# KiCad board mainPCB.kicad_pcb (continued)
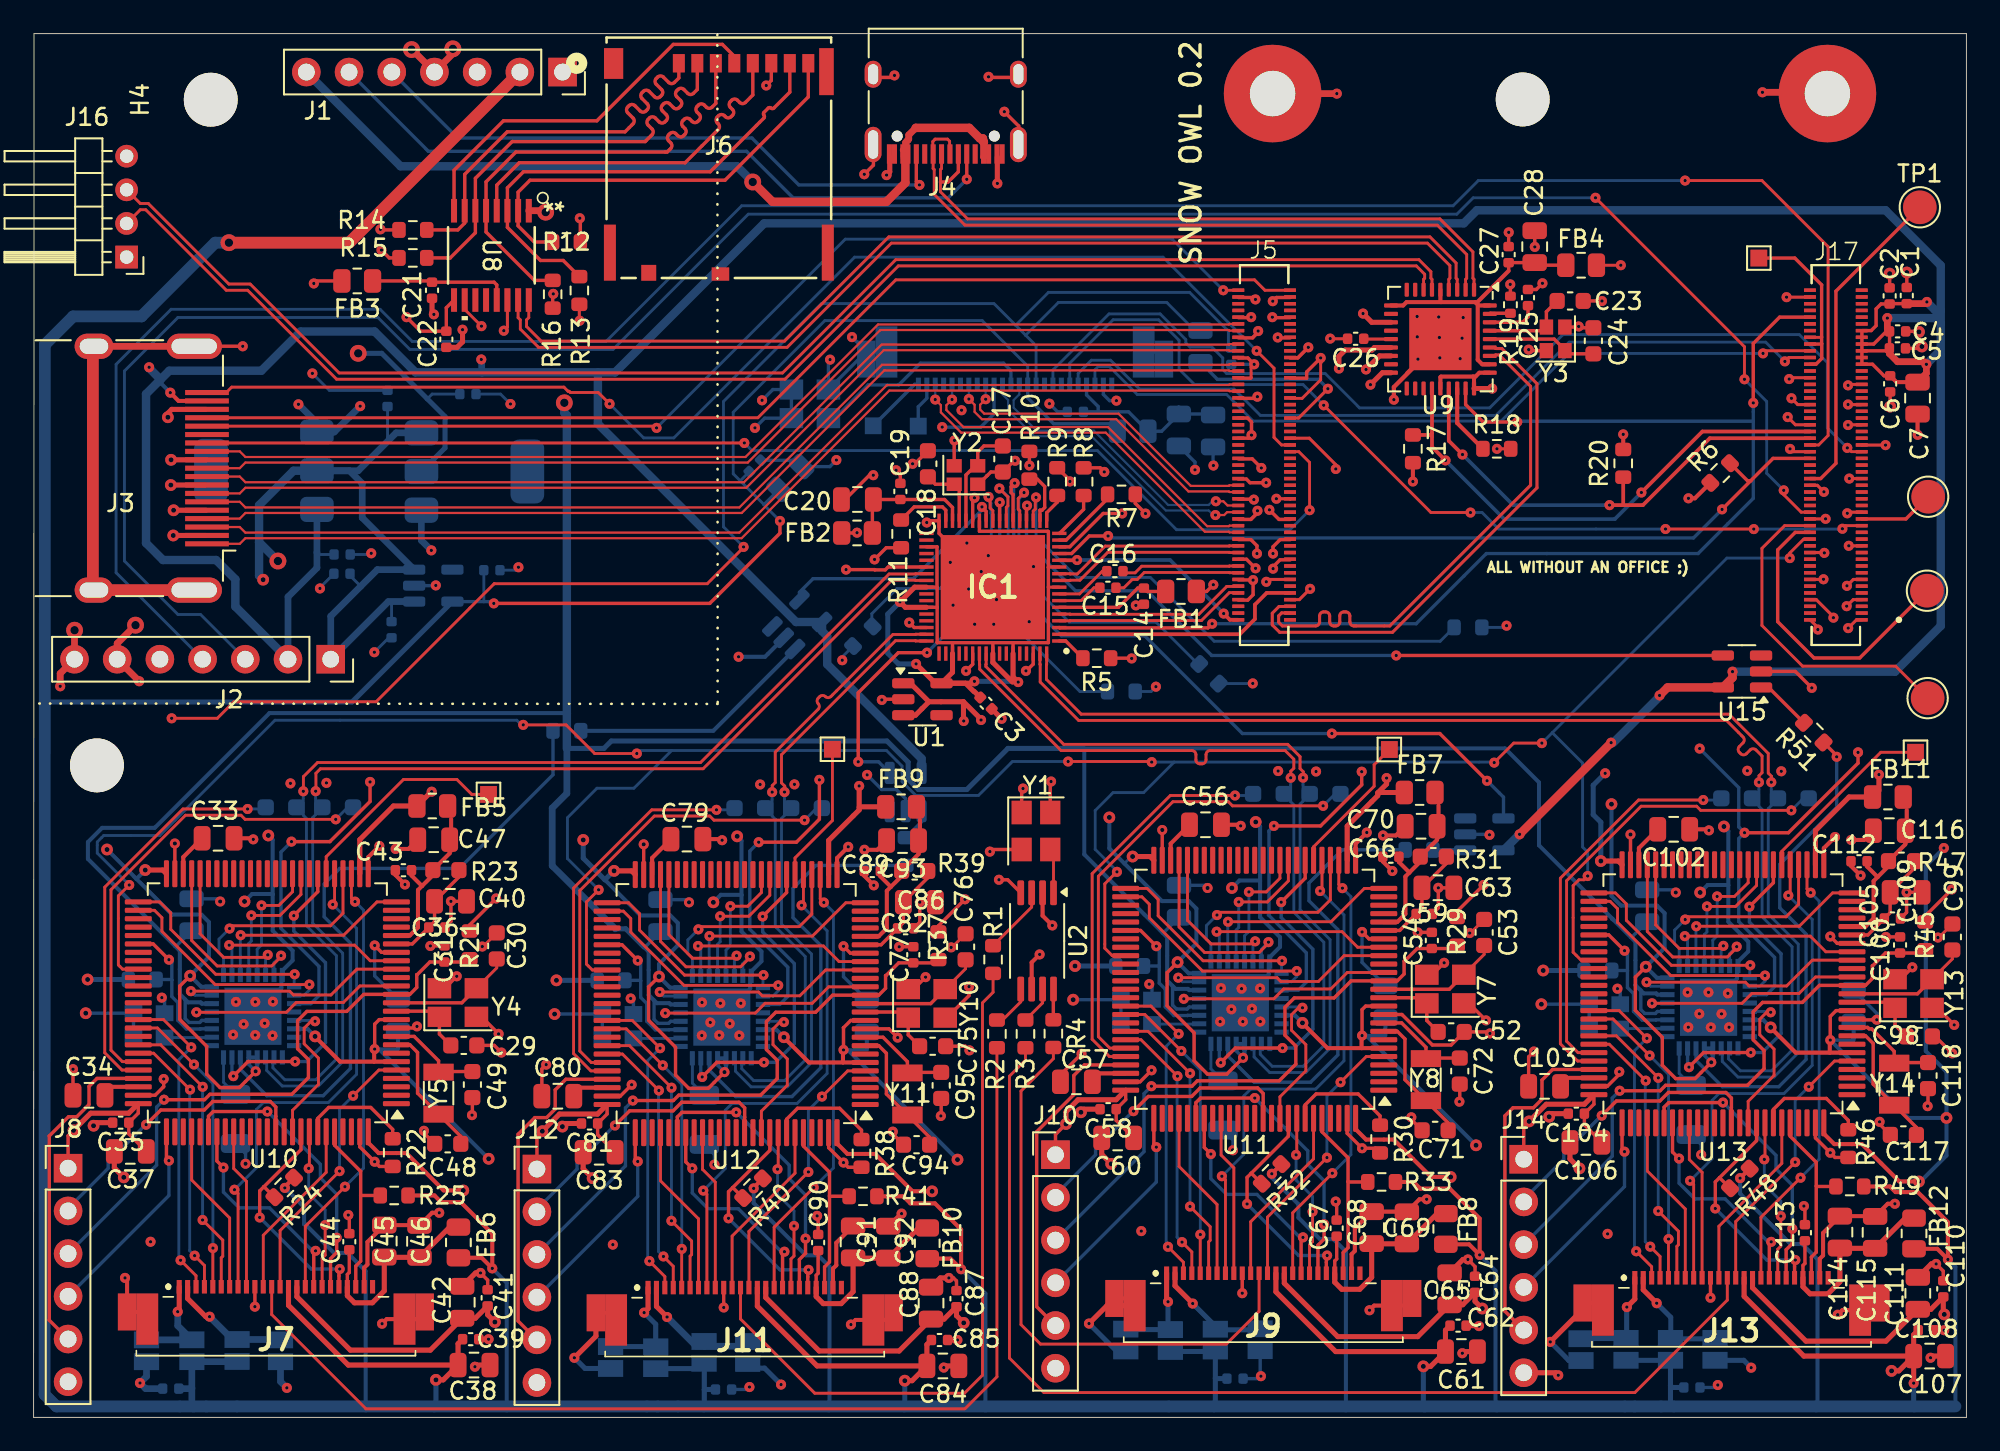
[diagram p0: board, top side]
## Routing (per net, layer and track width the routed paths; a pad name or vN(x,y) marks a point on that pad's centre or on a via; arc(x,y) is an arc through that point) (continued)
/1.05V out: length 53.4
  F.Cu Signal w0.18: IC1.9 60.36,49.38
  F.Cu Signal w0.2: IC1.43 53.73,49.38 ; 53.73,49.38 53.74,49.37 53.74,48.17 ; 53.73,49.38 53.73,51.78 53.73,51.78 IC1.37 ; IC1.60 57.05,46.07 57.05,46.08 ; IC1.54 54.65,46.05 ; U1.5 53.64,43.66 ; 60.36,50.56 60.36,46.08 53.75,46.08 53.74,46.09 53.74,48.17 ; 60.36,50.56 60.38,50.58 IC1.12 ; 60.36,50.56 60.36,52.68 60.33,52.7 56.25,52.7 IC1.28 ; 53.74,48.17 53.73,48.18 IC1.46 ; 55.92,43.18 55.95,43.18 ; IC1.63 58.25,46.08 ; 58.22,43.73 v1(58.56,43.73) ; 55.84,43.66 v1(55.95,43.78)
  F.Cu Signal w0.3: 55.92,43.18 55.43,43.66 U1.5 ; IC1.63 58.25,44.04 v1(58.56,43.73) ; IC1.46 51.85,48.18 v1(51.53,48.5) 52.4,49.38 IC1.43 ; U1.5 55.84,43.66 ; U1.5 54.65,44.32 IC1.54 ; IC1.60 57.05,44.9 58.22,43.73 ; 53.64,43.66 v1(52.48,44.81) ; 55.95,43.18 C3.1
  B.Cu Signal w0.2: 58.52,43.78 v1(58.56,43.73)
  B.Cu Signal w0.3: v1(52.48,44.81) 51.44,44.81 50.8,45.45 50.8,47.78 v1(51.53,48.5) ; v1(55.95,43.78) 58.52,43.78
GND: length 600.5
  F.Cu Signal w0.17: v1(76.55,63.02) 76.55,61.71 75.45,60.61 74.74,60.61 ; 72.41,61.84 72.41,62.45 v1(72.59,62.63) ; v1(113.26,28.54) 113.31,28.54 C99.1 ; v1(26.69,28) 26.73,28 C30.1 ; C53.1 85.46,28.81 v1(85.41,28.81) ; C76.1 54.62,27.95 v1(54.57,27.95) ; 81.67,62.13 U9.37 83.67,64.05
  F.Cu Signal w0.18: v1(107.92,60.24) 107.92,60.24 108.74,60.24 ; 76.55,62.71 v1(76.55,63.02) ; v1(73.31,49.7) 73.45,49.84 74.74,49.84 ; v1(106.5,51.42) 106.49,51.44 105.66,51.44 ; 105.66,61.84 104.5,61.84 v1(104.41,61.76) ; 72.49,49.84 v1(72.53,49.8) ; v1(77.11,64.16) 77.12,64.16 C26.2 ; v1(75.92,49.28) 75.28,48.64 74.74,48.64 ; 72.72,60.64 v1(72.78,60.71) ; v1(104.55,60.62) 104.93,60.24 105.66,60.24 ; 75.11,63.04 75.21,63.04 v1(75.81,63.64) ; v1(27.97,64.64) 28.18,64.85 U8.14 ; 108.74,57.84 108.75,57.83 v1(110.15,57.83) ; v1(72.79,53.92) 72.79,53.8 72.43,53.44 ; 105.66,53.44 106.57,53.44 v1(106.58,53.45) ; v1(72.42,65.44) 72.45,65.44 72.47,65.43 ; 72.52,54.64 72.56,54.6 ; 74,64.24 v1(74,64.23) 73.95,64.19 ; 72.53,66.64 v1(72.67,66.5) ; v1(104.26,66.63) 105.65,66.63 105.66,66.64 ; 104.29,59.53 v1(104.33,59.5) 104.78,59.04 105.66,59.04 ; 105.66,47.44 106.12,46.98 v1(106.12,46.86) ; 108.74,55.84 v1(107.99,55.84) 107.97,55.82 ; 105.66,55.44 106.09,55.44 v1(106.48,55.05) 106.53,55 ; v1(73.67,65.44) 73.65,65.41 ; 105.66,57.44 104.63,57.44 v1(104.47,57.6) ; 72.41,61.84 72.41,61.84 ; 72.51,64.24 72.83,64.56 v1(72.83,64.62) ; v1(107.92,61.38) 107.92,61.41 107.94,61.44 108.74,61.44 ; 108.74,48.64 108.22,48.64 v1(107.84,48.25) ; 108.74,49.84 108.23,49.84 v1(107.85,49.46) ; 108.74,59.04 107.91,59.04 107.91,59.04 107.91,59.03 v1(107.92,59.02) ; 105.66,49.84 106.44,49.84 v1(106.46,49.85) ; 74.74,54.61 74.71,54.64 v1(73.92,54.64) 73.86,54.64 73.86,54.65 ; 105.66,48.64 106.03,48.64 107.04,47.62 v1(107.04,47.56) ; v1(76.98,61.18) 75.24,59.44 74.74,59.44 ; 74.74,58.24 75.88,58.24 77.45,56.66 v1(77.45,56.41) ; 108.74,51.84 v1(107.96,51.84) 107.95,51.85 ; 108.74,47.44 108.42,47.44 v1(107.93,46.95) ; 108.74,53.84 107.94,53.84 v1(107.87,53.77) 108,53.77 108.06,53.83
  F.Cu Signal w0.2: J13.10 v1(99.74,7.12) ; v1(56.8,79.73) 56.83,79.7 58.59,79.7 ; 71.66,57.01 72.48,57.01 v1(73.02,56.47) ; v1(50.45,42.67) 50.49,42.72 U1.2 ; v1(72.78,60.71) 72.69,60.61 71.66,60.61 ; v1(54.44,8.29) 54.71,8.29 54.89,8.12 C87.2 ; v1(72.79,53.92) 72.79,53.8 72.4,53.41 71.66,53.41 ; U11.49 v3(67.13,34.94) ; U15.2 104.78,44.37 v1(105.76,43.39) ; Y2.4 54.75,58.09 v1(54.77,58.11) ; v1(20.28,28.07) 20.69,27.66 21.58,27.66 ; U11.74 65.81,19.96 v1(66.49,20.64) ; C72.2 84.82,18.8 v1(84.8,18.78) 84.8,18.78 ; v1(73.72,50.48) 73.72,50.59 74.14,51.01 74.74,51.01 ; v1(89.74,67.45) 89.37,67.09 C25.2 ; v1(51.39,22.59) 50.87,23.11 49.46,23.11 ; v1(113.16,9.13) 113.58,8.7 C110.2 ; v1(27.66,22.81) 26.64,23.82 Y4.2 ; v1(35.57,19.78) 34.89,19.11 U12.74 ; R19.1 87.84,67.38 v1(87.83,67.39) ; C117.2 109.79,17.44 v1(109.79,17.58) ; C94.2 51.1,16.86 v1(51.1,16.99) ; C48.2 23.22,16.91 v1(23.22,17.04) ; R38.2 48.45,14.87 v1(48.17,15.15) 47.28,16.04 U12.99 ; U11.19 79.42,28.46 v1(79.01,28.87) ; C98.1 113.1,22.66 v1(114.11,21.65) ; U13.19 107.27,28.19 v1(106.86,28.6) ; 71.66,52.21 72.39,52.21 72.76,51.84 v1(72.76,51.38) ; U13.10 108.73,23.69 108.78,23.64 109.34,23.64 109.39,23.69 109.58,23.69 v1(109.62,23.65) ; U11.99 78.13,16.89 v1(79.01,16.01) 79.8,16.01 R30.2 ; v1(72.83,64.62) 72.83,64.54 72.5,64.21 71.66,64.21 ; v1(25.16,26.23) 24.45,25.52 Y4.4 ; 89.97,63.4 Y3.4 88.98,63.45 v1(88.92,63.51) ; v1(7.73,20.12) 7.73,19.67 7.23,19.16 6.23,19.16 ; C27.1 87.73,70.48 v1(87.73,70.48) ; C77.2 51.49,28 v1(51.48,27.99) ; 74.74,64.21 74.02,64.21 v1(74,64.23) ; 9.5,63.74 9.47,63.71 v1(12.44,63.71) ; v1(85.31,9.39) 85.73,8.97 C64.2 ; C95.2 53.98,17.95 v1(53.96,17.93) 53.96,17.92 ; U2.4 57.94,31.98 v1(57.42,31.98) ; C19.1 51.55,56.08 v1(51.3,56.34) ; C31.2 23.6,28.05 v1(23.59,28.04) ; 71.66,66.61 72.56,66.61 v1(72.67,66.5) ; v1(81.94,17.85) 81.94,17.71 C71.2 ; 71.66,65.41 72.39,65.41 v1(72.42,65.44) ; 71.66,48.61 72.21,48.61 72.53,48.93 v1(72.53,49.8) 72.52,49.81 71.66,49.81 ; U13.74 93.6,19.69 94.31,20.4 v1(94.31,20.56) ; v1(18.72,12.03) 18.77,11.97 C44.2 ; J6.6 43.88,79.52 v1(43.58,79.22) ; Y3.2 91.86,64.85 v1(91.89,64.89) 91.89,64.82 91.91,64.81 91.91,64.81 C24.1 ; Y13.2 113.22,24.36 v1(114.23,23.34) ; v1(73.31,55.59) 72.35,55.59 72.13,55.81 71.66,55.81 ; v1(73.67,65.44) 73.7,65.41 74.74,65.41 ; C90.2 46.66,11.92 v1(46.6,11.98) ; 71.65,59.44 72.2,59.44 72.44,59.2 v1(72.44,58.42) 72.25,58.24 U3.156 ; v1(65.56,48.3) 65.63,48.36 C14.1 ; v1(89.28,69.62) 89.28,69.62 C28.1 ; v1(62.33,21.62) 61.07,20.37 C57.1 ; 58.59,75.52 58.59,76.81 v1(57.73,77.66) ; C36.1 24.82,29.5 v1(24.82,30.7) C40.1 ; C118.2 112.67,18.53 v1(112.65,18.51) 112.65,18.51 ; v1(48.17,28.02) 48.58,27.61 49.46,27.61 ; v1(73.5,53.98) 74.07,53.41 74.74,53.41 ; C63.1 v1(83.55,31.5) 83.55,30.3 C59.1 ; C41.2 27,8.17 v1(26.58,8.59) ; v1(73.72,51.38) 73.72,51.78 74.14,52.21 74.74,52.21 ; v1(72.58,54.59) 72.56,54.61 71.66,54.61 ; v1(72.68,50.5) 72.14,51.04 71.65,51.04 ; C67.2 77.5,12.78 v1(77.44,12.84) ; 49.95,79.7 51.08,79.7 v1(51.2,79.82) ; v1(73.7,66.39) 73.92,66.61 74.74,66.61 ; C1.2 v4(111.41,68.09) ; v1(22.8,23.26) 22.71,23.16 21.58,23.16 ; 62.45,56.48 63.44,56.48 v1(63.68,56.23) ; v1(110.17,28.57) 110.18,28.58 C100.2 ; v4(112.13,64.56) 112.1,64.59 C4.2 ; 72.41,61.84 72.38,61.81 71.66,61.81 ; v1(50.02,51.03) 50.71,51.72 R11.2 ; 56.2,55.5 Y2.2 56.2,55.5 56.71,56.02 56.72,56.02 56.93,56.23 C17.1 58.37,56.96 ; C2.2 v4(110.39,68.03) ; 76.55,62.71 v1(76.55,63.02) 75.72,62.18 75.72,61.81 74.74,61.81 ; C113.2 105.35,12.51 v1(105.29,12.57) ; Y7.4 83.18,26.33 v1(83.89,27.04) ; R10.1 v1(59.22,56.62) 59.22,56.59 59.23,56.57 ; C80.1 30.23,20.72 v1(30.48,20.98) ; R46.2 107.14,15.46 v1(106.86,15.74) 105.98,16.62 U13.99 ; Y10.2 54.32,23.77 55.64,25.09 v1(55.64,25.62) ; 49.95,75.52 49.95,74.48 v1(49.41,73.94) ; v1(53.05,26.18) 52.34,25.47 Y10.4 ; 48.27,54.59 49.71,56.04 v1(49.94,56.04) ; C6.2 v4(110.42,60.12) ; C75.1 55.41,22.08 v1(55.66,21.83) ; C18.1 52.41,56.72 v1(52.28,56.72) ; Y7.2 85.37,24.63 v1(86.38,23.61) ; C49.2 26.09,18 v1(26.07,17.98) 26.07,17.97 ; Y13.4 111.03,26.06 v1(111.74,26.77) ; U10.49 v3(8.4,34.13) ; C103.1 88.92,21.44 v1(89.23,21.76) ; R22.2 20.56,14.92 v1(20.28,15.2) 19.4,16.09 U10.99 ; C54.2 82.33,28.85 v1(82.32,28.84) ; C29.1 27.39,22.13 v1(27.82,21.7) ; v1(53.12,53.22) 53.22,53.33 IC1.34 53.85,52.58 IC1.69 ; J9.10 v1(71.89,7.39) ; v1(93.28,66.4) 93.28,66.41 C23.1 ; Y1.2 57,33.78 v1(56.88,33.65) ; U13.49 v3(94.98,34.67) ; v4(112.31,63.7) 112.2,63.59 111.34,63.59 ; v1(61.64,55.67) 61.64,55.73 R9.1 ; v1(2.34,20.71) C34.1 ; C82.1 52.7,29.45 v1(52.7,30.64) C86.1 ; U12.49 v3(36.28,34.09) ; U3.180 71.68,63.01 72.22,63.01 v1(72.59,62.63) ; v1(75.81,63.64) 75.18,63.01 74.74,63.01 ; U11.10 81.38,23.96 83.2,22.15 84.31,22.15 C52.1 86.53,22.93 v1(86.62,22.84) ; J7.10 v1(13.16,6.58) ; J11.10 v1(41.04,6.53) ; C105.1 111.4,30.03 v1(111.4,31.23) C109.1
  F.Cu Signal w0.24: J13.23 106.24,9.43 106.43,9.63 106.43,10.97 C114.2 109.51,11.97 C115.2 110.28,12.7 v1(110.7,12.7) ; J9.MP1 65.06,7.07 J9.AMP1 ; J13.AMP1 92.91,6.8 J13.MP1 ; U11.26 78.63,34.12 v1(79.29,34.79) ; C7.2 112.05,58.45 v1(112.06,58.44) ; v1(20.56,33.98) 19.9,33.32 U10.26 ; J11.23 47.54,8.85 47.74,9.04 47.74,10.38 C91.2 50.82,11.38 50.84,11.37 51.59,12.12 v1(51.62,12.12) ; C56.1 71.73,35.25 v1(71.79,35.18) ; v1(80.26,34.61) 81.02,34.61 C70.2 ; v1(22.09,31.7) 21.52,32.27 C43.2 ; v1(20.73,5.57) 21,5.85 J7.MP2 22.83,5.85 J7.AMP2 ; C89.2 49.4,32.21 v1(49.97,31.64) ; v1(108.11,34.34) 108.87,34.34 C116.2 ; J7.23 19.66,8.9 19.86,9.09 19.86,10.43 C45.2 22.94,11.43 C46.2 23.7,12.17 v1(24.12,12.17) ; U12.26 47.78,33.27 v1(48.45,33.94) ; J7.MP1 6.33,6.27 J7.AMP1 5.56,8.17 v1(5.44,8.29) ; J9.23 78.39,9.7 78.58,9.9 78.58,11.24 C68.2 81.66,12.24 C69.2 82.43,12.97 v1(82.85,12.97) ; C93.2 50.18,33.76 v1(49.42,33.76) ; C112.2 108.09,32.8 v1(108.66,32.23) ; C47.2 22.29,33.81 v1(21.53,33.81) ; J11.MP1 34.22,6.22 J11.AMP1 ; v1(107.14,34.52) 106.48,33.85 U13.26 ; C102.1 99.58,34.98 v1(99.64,34.91) ; v1(107.3,6.1) 107.58,6.38 J13.MP2 109.41,6.38 J13.AMP2 ; v1(40.95,34.33) 40.89,34.39 C79.1 ; v1(48.61,5.52) 48.89,5.8 J11.MP2 50.72,5.8 J11.AMP2 ; v1(79.45,6.37) 79.73,6.65 J9.MP2 81.56,6.65 J9.AMP2 ; C66.2 80.24,33.07 v1(80.81,32.5) ; C33.1 13,34.45 v1(13.06,34.38)
  F.Cu Signal w0.25: v1(80.9,60.53) 80.9,61.28 83.67,64.05
  F.Cu Signal w0.3: 10.24,56.95 v4(8.18,56.95) ; C108.2 v1(113.63,5.19) ; C106.2 91.38,15.37 v4(91.94,14.81) ; v1(54.44,8.29) 53.92,8.29 C88.2 ; 10.24,55.45 v4(8.16,55.45) ; C107.1 112.92,3.65 v1(112.82,3.55) ; C61.1 85.07,3.91 v1(84.98,3.81) ; C104.2 90.32,18.06 v4(90.14,17.88) ; v4(3.56,17.35) 3.75,17.53 C35.2 ; v4(31.45,17.3) 31.63,17.48 C81.2 ; 10.24,59.95 8.21,59.95 7.98,59.73 v4(7.98,59.49) ; v4(62.29,18.15) 62.48,18.33 C58.2 ; C37.2 4.8,14.84 v4(5.36,14.28) ; J11.AMP1 33.44,4.83 v1(32.16,3.54) ; v1(79.07,65.66) 79.59,65.13 U9.12 ; v1(25.51,64.69) 25.51,63.97 25.19,63.65 C22.1 ; C42.2 26.29,8.59 v1(26.58,8.59) ; 57.32,74.95 v1(57.32,73.39) ; v1(85.31,9.39) 85.01,9.39 C65.2 ; v4(8.33,53.95) 10.24,53.95 ; U9.16 80.05,63.13 v1(79.25,62.33) ; J14.6 90.53,2.65 v1(90.68,2.5) ; C83.2 32.69,14.79 v4(33.25,14.23) ; J9.MP1 63.84,6.65 v1(62.77,5.58) ; 50.92,74.95 50.92,74.08 v1(50.73,73.89) ; v1(23.8,65.6) 23.7,65.72 C21.2 ; J13.AMP1 92.14,6.42 v1(90.2,4.49) ; v1(54.13,2.96) 54.23,3.06 C84.1 ; v1(26.25,3.01) 26.35,3.11 C38.1 ; C62.2 85.94,5.45 v1(85.97,5.43) ; C85.2 v1(54.94,4.6) ; v1(79.51,61.42) 80.22,62.13 U9.18 ; C39.2 v1(27.06,4.65) ; v4(64.09,15.08) 63.53,15.64 C60.2 ; v1(113.16,9.13) 112.86,9.13 C111.2 ; 10.24,52.45 v4(8.3,52.45) ; C3.2 v1(57.58,41.55)
  F.Cu Signal w0.4: v1(102.82,78.81) 106.62,78.81 106.69,78.73 ; v1(1.58,43.48) 1.58,44.24 J2.7 2.43,46.81 v2(2.44,46.82) ; v2(6.06,47.12) 4.97,46.03 J2.6 v1(6.28,43.79) ; 73.7,78.73 v1(77.51,78.73) ; v2(22.48,81.35) 22.51,81.35 J1.4 24.94,81.12 v2(24.94,81.4) ; v2(30.45,71.69) 30.37,71.77 U8.1 ; 3.51,63.71 9.47,63.71
  F.Cu Signal w0.7: 9.77,63.99 9.48,63.7 ; 9.48,49.2 3.52,49.2 3.52,63.7
  B.Cu Signal w0.17: C10.2 17.03,49.35 v1(17.03,49.3) ; C11.2 27.77,60.87 v1(28.36,60.27) ; v1(20.08,51.39) 20.01,51.33 C8.2 ; C12.2 17.59,61.09 v1(16.58,62.09) ; C13.2 28.66,50.39 v1(28.84,50.56) ; v1(20.27,45.51) 21.12,46.37 C9.2
  B.Cu Signal w0.2: R28.2 12.61,15.69 v3(12.61,15.08) ; C130.2 60.9,59.81 v1(60.42,60.3) ; J15.10 57.12,59.7 56.33,58.9 v1(54.04,58.9) ; U14.2 86.56,34.68 v1(86.59,34.65) ; C120.1 109.62,24.03 v1(109.62,23.65) ; C55.2 72.85,2.3 v1(73,2.45) 72.95,2.49 JP2.2 ; C133.2 v1(72.59,62.63) ; 39.01,30.6 v3(38.98,30.63) 38.82,30.79 C96.1 ; U6.2 23.91,49.47 v1(23.92,49.48) ; 70.74,17.09 71.33,16.49 v3(71.33,15.89) ; C73.1 69.66,31.65 v3(69.82,31.49) 69.85,31.46 ; C74.1 79.01,27.06 v1(79.01,28.87) ; 11.12,30.66 v3(11.09,30.68) 10.94,30.84 C50.1 ; v1(35.51,24.91) 35.67,24.75 35.67,23.99 ; v1(66.35,25.77) 66.52,25.6 Y9.2 ; v1(49.58,38.21) 50.45,37.34 51.31,37.34 51.86,36.79 U7.2 ; C51.1 20.28,26.26 v1(20.28,28.07) ; C131.2 69.08,56.82 v1(69.08,56.36) ; v3(99.18,15.62) 99.18,16.23 R52.2 ; Y15.2 94.37,25.33 v1(94.2,25.5) ; C97.1 48.17,26.21 v1(48.17,28.02) ; C101.2 100.03,1.78 v1(100.17,1.92) ; 69.4,62.75 70.41,61.74 76.42,61.74 v1(76.98,61.18) ; C136.2 45.3,56.93 C135.1 47.36,56.55 v1(47.75,56.94) ; v1(42.58,1.8) 42.43,1.66 C78.2 ; C132.2 70.15,56.63 v1(70.17,56.62) ; R44.2 40.49,15.64 v3(40.49,15.03) ; 7.79,24.04 7.79,24.8 v1(7.62,24.96) ; C119.1 97.51,31.38 v3(97.67,31.22) 97.7,31.19 ; J15.23 63.62,60.84 64,60.48 v1(64.4,60.48) ; v1(47.37,62.91) 47.27,62.81 Y16.2 49.5,63.37 J15.MP1 49.95,63.37 J15.AMP1 49.53,63.41 v1(48.67,64.25)
  B.Cu Signal w0.24: v4(100.53,35.15) 100.79,34.89 100.79,31.65 ; 100.79,31.65 100.78,31.67 99.56,31.67 v4(99.12,31.22) ; 100.79,31.65 100.79,29.48 101.98,28.3 101.98,27.72 101.37,27.11 IC5.8 101.31,26.79 101.31,26.09 IC5.33 ; v4(12.54,30.69) 12.99,31.13 14.2,31.13 14.22,31.11 ; IC4.33 42.62,25.5 42.62,26.2 42.68,26.26 42.68,26.52 43.29,27.13 43.29,27.71 42.1,28.9 42.1,31.06 ; 14.22,31.11 14.22,28.95 15.4,27.76 15.4,27.18 14.8,26.57 IC2.8 14.74,26.25 14.74,25.55 IC2.33 ; 14.22,31.11 14.22,34.35 v4(13.96,34.61) ; v4(72.69,35.41) 72.95,35.15 72.95,31.91 ; U16.2 44.61,46.35 43.5,45.24 v1(41.93,45.24) ; v4(41.84,34.56) 42.1,34.3 42.1,31.06 ; 72.95,31.91 72.93,31.93 71.72,31.93 v4(71.27,31.49) ; 72.95,31.91 72.95,29.75 74.13,28.56 74.13,27.98 73.52,27.37 IC3.8 73.46,27.05 73.46,26.35 IC3.33 ; 42.1,31.06 42.08,31.08 40.87,31.08 v4(40.43,30.64)
  B.Cu Signal w0.3: 42.5,2.93 43.47,2.93 v1(44.45,1.95) ; v1(90.2,4.49) 91.31,3.38 JP16.2 ; v1(102.16,2.95) 101.72,3.39 JP4.2 ; JP15.2 32.8,2.91 v1(32.16,3.54) ; JP14.2 64.4,3.95 v1(62.77,5.58)
  B.Cu Signal w0.4: JP1.2 14.69,2.13 v1(15.06,1.75) ; v1(23.66,51.57) 23.06,52.16 23.06,53.96 ; C32.2 6.66,1.71 v1(6.33,2.04) 6.72,2.43 JP13.2 ; v1(15.75,60.25) 16.85,59.16 U4.1 17.88,58.6 v1(19.42,60.15)
  B.Cu Signal w0.7: 2.43,46.81 v2(2.44,46.82)
  vias: v1(6.95,10.44) v1(11.87,22.76) v1(12.04,24.71) v1(12.49,23.39) v1(13.19,24.71) v1(13.18,22.74) v1(13.74,23.44) v1(14.21,22.71) v1(14.23,24.73) v1(15.27,37.71) v1(17.41,37.74) v1(34.45,10.27) v1(39.75,24.68) v1(39.74,22.71) v1(40.25,23.49) v1(40.78,22.73) v1(40.84,24.63) v1(41.41,23.42) v1(41.97,22.71) v1(42.06,24.63) v1(43.21,37.64) v1(45.25,37.65) v1(54.52,50.85) v1(54.69,48.31) v1(55.19,59.91) v1(55.5,52) v1(55.61,49.27) v1(55.97,47.17) v1(56.36,50.3) v1(56.78,51.25) v1(57.11,47.17) v1(57.27,48.64) v1(58.38,56.9) v1(59.22,47.33) v1(59.47,50.6) v1(65.88,11.08) v1(70.62,25.53) v1(70.57,23.54) v1(71.24,24.27) v1(71.84,25.5) v1(71.92,23.54) v1(72.47,24.3) v1(72.95,25.52) v1(72.96,23.54) v1(74.02,38.45) v1(76.28,38.41) v1(82.28,65.48) v1(82.3,64.27) v1(82.34,62.95) v1(83.57,65.45) v1(83.61,64.23) v1(83.64,63.02) v1(84.84,62.97) v1(85.03,65.41) v1(84.96,64.19) v1(93.61,10.91) v1(98.38,25.28) v1(98.41,23.2) v1(99.07,24) v1(99.62,25.28) v1(99.75,23.2) v1(100.39,24) v1(100.77,25.22) v1(100.84,23.2) v1(101.93,38.46) v1(103.94,38.43)
/GPIO_TP_1: length 19.2
  F.Cu Signal w0.2: TP1.1 107.19,66.98 107.19,56.74 106.29,55.84 105.66,55.84
/GPIO_TP_2: length 4.5
  F.Cu Signal w0.2: TP2.1 111.36,53.44 108.74,53.44
/GPIO_TP_3: length 19.6
  F.Cu Signal w0.17: TP3.1 110.75,44.68 105.22,44.68 102.79,47.1 102.79,51.69 104.15,53.04 105.65,53.04
/GPIO_TP_4: length 18.1
  F.Cu Signal w0.2: TP4.1 108.61,45.17 105.89,45.17 103.73,47.33 103.73,51.59 104.78,52.64 105.66,52.64
/HDMI_CEC: length 72.5
  F.Cu Signal w0.17: 74.73,57.44 75.25,57.44 75.89,56.8 v1(75.89,53.96) ; J3.13 v1(42.27,57.96)
  F.Cu Signal w0.2: 10.24,57.95 10.26,57.94
  B.Cu Signal w0.17: v1(75.89,53.96) 74.73,52.8 67.97,52.8 63.27,57.51 42.72,57.51 v1(42.27,57.96)
/HDMI_CK+: length 64.8
  F.Cu Signal w0.13: U3.188 71.12,64.64 71.09,64.67 50.36,64.67 42.48,56.79 12.6,56.79 12.26,56.46 J3.10
/HDMI_CK-: length 64.8
  F.Cu Signal w0.13: U3.190 71.12,65.04 71.09,65 50.22,65 42.34,57.12 12.6,57.12 12.26,57.46 J3.12
/HDMI_D0+: length 64.9
  F.Cu Signal w0.13: J3.7 12.26,54.96 12.6,55.29 42.38,55.29 50.57,63.48 71.09,63.48 71.12,63.44 71.65,63.44
/HDMI_D0-: length 64.9
  F.Cu Signal w0.13: 71.65,63.84 71.12,63.84 71.09,63.8 50.43,63.8 42.25,55.62 12.6,55.62 12.26,55.96 J3.9
/HDMI_D1+: length 65
  F.Cu Signal w0.13: J3.4 12.26,53.46 12.6,53.79 42.11,53.79 50.6,62.27 71.09,62.27 71.12,62.24 U3.176
/HDMI_D1-: length 65
  F.Cu Signal w0.13: U3.178 71.12,62.64 71.09,62.6 50.46,62.6 41.98,54.12 12.6,54.12 12.26,54.46 J3.6
/HDMI_D2+: length 65.1
  F.Cu Signal w0.13: U3.170 71.12,61.04 71.09,61.07 50.89,61.07 42.11,52.29 12.6,52.29 12.26,51.96 J3.1
/HDMI_D2-: length 65.1
  F.Cu Signal w0.13: 71.65,61.44 71.12,61.44 71.09,61.41 50.75,61.41 41.97,52.62 12.6,52.62 12.26,52.96 J3.3
/HDMI_HPD: length 77.3
  F.Cu Signal w0.17: 74.73,57.84 74.22,57.84 73.78,58.28 73.78,62.41 v1(72.74,63.44) ; J3.19 11.46,60.96 11.78,61.28 31.54,61.28 31.78,61.03 31.85,61.03 31.92,60.96 33.58,60.96 v1(34.25,60.28)
  B.Cu Signal w0.17: v1(72.74,63.44) 67.17,69.01 48.83,69.01 38.08,58.26 36.28,58.26 v1(34.25,60.28)
/HDMI_SCL: length 67.3
  F.Cu Signal w0.17: U3.200 v1(70.75,67.04) ; J3.15 36.95,58.96 v1(37.05,58.85)
  B.Cu Signal w0.17: v1(70.75,67.04) 67.72,70.08 48.28,70.08 v1(37.05,58.85)
/HDMI_SDA: length 68.1
  F.Cu Signal w0.17: J3.16 43.08,59.46 51.28,67.66 72.61,67.66 73.23,67.04 U3.199
/MCLK: length 13.2
  B.Cu Signal w0.2: J15.12 58.12,62.27 57.69,62.7 52.75,62.7 51.45,61.41 49.64,61.41 47.66,59.43 Y16.3
/MCLK0: length 67.5
  F.Cu Signal w0.17: R2.2 57.3,2.41 55.39,0.51 19.77,0.51 14.16,6.12 J7.12
/MCLK1: length 42.7
  F.Cu Signal w0.17: R1.2 57.06,25.28 56.44,24.65 56.44,2.51 55.36,1.43 46.46,1.43 42.04,5.85 J11.12
/MCLK2: length 35
  F.Cu Signal w0.17: J9.12 72.89,6.31 70.94,4.36 59.89,4.36 58.72,5.52 58.72,19.41 60.65,21.33 60.65,22
/MCLK3: length 66
  F.Cu Signal w0.17: J13.12 100.74,6.97 95.24,1.47 60.09,1.47 58.04,3.52 58.04,20.29 58.99,21.24 R3.2
/MIPI_AF_GND: length 3.9
  B.Cu Signal w0.2: TP5.1 52.4,61.45 J15.1 52.62,61.3
/MIPI_AF_VDD: length 2.7
  B.Cu Signal w0.2: J15.2 53.12,60.62 52.61,60.11 TP6.1
/MIPI_AVDD: length 11
  B.Cu Signal w0.2: J15.21 62.62,60.81 63.31,60.12 63.31,59.81 ; C131.1 68.11,60.1 ; C131.1 67.09,58.66 FB14.2 65.12,59.81 63.31,59.81 ; C131.1 70.09,59.68 70.15,59.62 ; C130.1 63.31,59.81
/MIPI_CMPDNF: length 60.1
  F.Cu Signal w0.17: 107.94,57.62 108.12,57.44 108.73,57.44
  B.Cu Signal w0.17: J15.17 60.62,62.3 63.96,65.63 67,65.63 68.53,64.11 68.53,63.91 68.78,63.66 70.08,63.66 70.72,63.02 70.72,62.32 70.96,62.09 76.82,62.09 78.86,60.05 86.61,60.05 90.96,64.4 105.02,64.4 106.69,62.73 106.69,58.85 v1(107.87,57.67)
/MIPI_MCN: length 19.4
  F.Cu Signal w0.13: v1(55.62,60.57) 55.96,60.23 55.96,59.81 56.4,59.37 64.39,59.37 68.69,55.07 71.09,55.07 71.12,55.04 U3.140
  B.Cu Signal w0.13: J15.7 v1(55.62,60.57)
/MIPI_MCP: length 18.9
  F.Cu Signal w0.13: v1(56.62,60.56) 56.3,60.23 56.3,59.94 56.54,59.7 64.53,59.7 68.82,55.41 71.09,55.41 71.12,55.44 71.65,55.44
  B.Cu Signal w0.13: J15.9 v1(56.62,60.56)
/MIPI_MDN0: length 22.5
  F.Cu Signal w0.13: 71.65,52.64 71.12,52.64 71.09,52.67 69.66,52.67 63.77,58.57 55.17,58.57 53.96,59.78 53.96,60.21 v1(53.62,60.54)
  B.Cu Signal w0.13: J15.3 v1(53.62,60.54)
/MIPI_MDN1: length 18
  F.Cu Signal w0.13: v1(70.29,53.67) 70.81,53.67 70.98,53.84 71.65,53.84
  B.Cu Signal w0.13: J15.11 57.62,60.84 57.96,60.51 57.96,59.92 59.52,58.36 62.92,58.36 67.34,53.94 69.89,53.94 70.16,53.67 v1(70.29,53.67)
/MIPI_MDP0: length 21.9
  F.Cu Signal w0.13: 71.65,53.04 71.12,53.04 71.09,53 69.8,53 63.9,58.9 55.31,58.9 54.29,59.91 54.29,60.21 v1(54.62,60.54)
  B.Cu Signal w0.13: J15.5 v1(54.62,60.54)
/MIPI_MDP1: length 17.5
  F.Cu Signal w0.13: 71.65,54.24 71.01,54.24 70.76,54.49 v1(70.31,54.49)
  B.Cu Signal w0.13: v1(70.31,54.49) 70.11,54.49 69.89,54.27 67.48,54.27 63.06,58.69 59.65,58.69 58.29,60.05 58.29,60.51 58.62,60.84 J15.13
/MIPI_RESET: length 55.7
  F.Cu Signal w0.17: v1(102.31,52.83) 102.31,52.84 v1(97.06,52.84) ; 108.73,53.04 107.77,53.04 v1(107.58,52.85) ; v1(85.46,53.82) 83.11,53.82 v1(76.73,60.2)
  B.Cu Signal w0.17: v1(107.58,52.85) 107.56,52.83 v1(102.31,52.83) ; J15.19 61.62,62.7 64.2,65.28 66.91,65.28 68.13,64.06 68.13,62.34 69.04,61.43 71.51,61.43 71.51,61.43 75.5,61.43 v1(76.73,60.2) ; v1(97.06,52.84) 87.13,52.84 86.15,53.82 v1(85.46,53.82)
/MIPI_SCL: length 48.2
  F.Cu Signal w0.17: v1(104.16,62.81) 104.39,63.04 U3.80
  B.Cu Signal w0.17: J15.20 62.12,62.09 62.92,62.88 64.05,62.88 65.77,61.16 71.39,61.16 72.96,59.6 86.97,59.6 91.33,63.95 103.02,63.95 v1(104.16,62.81)
/MIPI_SDA: length 46.5
  F.Cu Signal w0.17: v1(102.86,63.28) 103.02,63.44 105.65,63.44
  B.Cu Signal w0.17: J15.22 63.12,62.31 63.31,62.5 63.98,62.5 65.64,60.84 70.95,60.84 72.53,59.26 87.28,59.26 91.31,63.28 v1(102.86,63.28)
/PCIe_CLK_N: length 11.3
  F.Cu Signal w0.17: 71.65,49.44 71.4,49.44 71.39,49.42 70.96,49.42 69.3,47.77 61.66,47.77 61.64,47.78 IC1.5
/PCIe_CLK_nREQ: length 12.1
  F.Cu Signal w0.22: v1(62.06,50.99) 62.05,50.98 61,50.98 ; v1(70.78,47.81) 71.15,47.44 71.66,47.44
  B.Cu Signal w0.22: v1(70.78,47.81) 67.59,50.99 v1(62.06,50.99)
/PCIe_CLK_P: length 11.3
  F.Cu Signal w0.17: 71.65,49.04 71.4,49.04 71.39,49.05 71.12,49.05 69.46,47.39 61.66,47.39 61.64,47.38 IC1.4
/PCIe_nRST: length 15.3
  F.Cu Signal w0.22: IC1.2 71.73,46.58 72.64,47.48 72.64,48.34 73.34,49.04 74.74,49.04
/PCIe_RX+: length 7.7
  F.Cu Signal w0.17: 71.65,50.24 71.12,50.24 71.11,50.25 66.06,50.25 65.64,49.84 65.34,49.84 64.84,49.34 C15.2
/PCIe_RX-: length 7.1
  F.Cu Signal w0.17: C16.2 64.89,50.23 65.51,50.23 65.9,50.62 71.11,50.62 71.12,50.64 71.65,50.64
/PCIe_TX+: length 11.3
  F.Cu Signal w0.17: IC1.10 61.64,49.78 61.66,49.8 62.23,49.8 63.89,51.45 71.11,51.45 71.12,51.44 71.65,51.44
/PCIe_TX-: length 11.3
  F.Cu Signal w0.17: 71.65,51.84 71.12,51.84 71.11,51.83 63.73,51.83 62.07,50.16 61.66,50.16 61.64,50.18 IC1.11
/PONRSTB: length 48.8
  F.Cu Signal w0.2: 105.66,57.04 103.46,57.04 102.12,55.7 ; 102.12,55.7 101.94,55.7 R6.2 ; 102.12,55.7 v1(100.42,54.01) ; v1(63.91,52.42) 62.78,52.42 61.74,51.38 IC1.14
  B.Cu Signal w0.2: v1(100.42,54.01) 98.72,52.31 64.02,52.31 v1(63.91,52.42)
/power SCL: length 138.5
  F.Cu Signal w0.17: v1(104.09,55.14) 104.09,54.88 105.13,53.84 105.65,53.84 ; v1(92.89,72.54) 101.75,63.68 v1(101.75,61.74)
  B.Cu Signal w0.17: J2.3 9.93,47.75 8.59,47.75 5.4,50.94 5.4,62.24 8.58,65.42 20.48,65.42 22.38,63.52 34.47,63.52 42.5,71.56 84.64,71.56 85.62,72.54 v1(92.89,72.54) ; v1(104.09,55.14) 103.07,56.16 103.07,60.42 v1(101.75,61.74)
/power SDA: length 141.8
  F.Cu Signal w0.17: v1(98.22,73.56) 102.79,73.56 106.73,69.63 106.73,58.4 106.17,57.84 105.65,57.84
  B.Cu Signal w0.17: v1(98.22,73.56) 85.92,73.56 84.42,72.06 42.11,72.06 34.05,63.99 22.52,63.99 20.61,65.91 8.18,65.91 4.91,62.63 4.91,50.24 J2.4
/RUN_PG: length 76.4
  F.Cu Signal w0.2: U9.26 85.17,60.24 86.21,59.2 v1(88.24,59.2) ; v1(70.09,47.2) 69.85,46.96 61.02,46.96 61,46.98 ; v1(102.28,60.34) 102.28,63.88 103.84,65.44 105.65,65.44
  B.Cu Signal w0.2: v1(102.28,60.34) 102.28,59.24 ; v1(70.09,47.2) 82.23,47.2 86.41,51.38 99,51.38 102.28,54.66 102.28,59.24 ; 102.28,59.24 102.28,59.25 88.36,59.25 88.24,59.38 v1(88.24,59.2)
/STM32_0_USB_D+: length 64.9
  F.Cu Signal w0.17: v1(16.04,37.24) 16.05,37.24 16.05,38.11 16.88,38.95 39.67,38.95 50.88,50.16 52.45,50.16 52.46,50.18 IC1.41
  B.Cu Signal w0.17: 14.3,21.41 14.3,21.13 14.23,21.07 14.23,20.79 14.94,20.08 16.78,20.08 18.01,21.31 18.01,27.46 16.23,29.24 16.23,35.63 16.04,35.82 16.04,37.24 v1(16.04,37.24)
/STM32_0_USB_D-: length 65.4
  F.Cu Signal w0.17: IC1.42 52.46,49.78 52.45,49.8 51.03,49.8 39.82,38.58 17.06,38.58 16.79,38.31 16.79,37.26 v1(16.77,37.24)
  B.Cu Signal w0.17: 13.8,21.41 13.8,21.13 13.86,21.07 13.86,20.64 14.79,19.71 16.94,19.71 18.38,21.15 18.38,27.61 16.59,29.4 16.59,35.67 16.77,35.85 16.77,37.24 v1(16.77,37.24)
/STM32_0_USB_VBUS: length 14.8
  B.Cu Signal w0.24: 45.28,45.7 40.42,40.83 R27.2
/STM32_1_USB_D+: length 36.9
  F.Cu Signal w0.17: IC1.50 52.46,46.58 52.45,46.56 51.11,46.56 47.42,42.87 arc(47.25,42.81) 47.09,42.87 arc(46.92,42.94) 46.76,42.87 46.66,42.78 arc(46.6,42.61) 46.66,42.45 arc(46.73,42.29) 46.66,42.12 44.11,39.57 44.11,37.76 43.93,37.58 43.93,37.2 v1(43.92,37.19)
  B.Cu Signal w0.17: IC4.18 42.18,21.08 42.11,21.02 42.11,20.74 42.83,20.03 44.67,20.03 45.89,21.26 45.89,27.41 44.11,29.19 44.11,35.58 43.92,35.77 43.92,37.19 v1(43.92,37.19)
/STM32_1_USB_D-: length 37
  F.Cu Signal w0.17: IC1.51 52.46,46.18 52.45,46.2 51.26,46.2 44.48,39.41 44.48,37.74 44.67,37.55 44.67,37.21 v1(44.66,37.2)
  B.Cu Signal w0.17: IC4.19 41.68,21.08 41.75,21.02 41.75,20.59 42.67,19.66 44.82,19.66 46.27,21.1 46.27,27.56 44.48,29.35 44.48,35.62 44.66,35.8 44.66,37.19 v1(44.66,37.2)
